# Altium PCB mantarray_beta2_sensor_arrayed.PcbDoc (part 2 of 14) (continued)
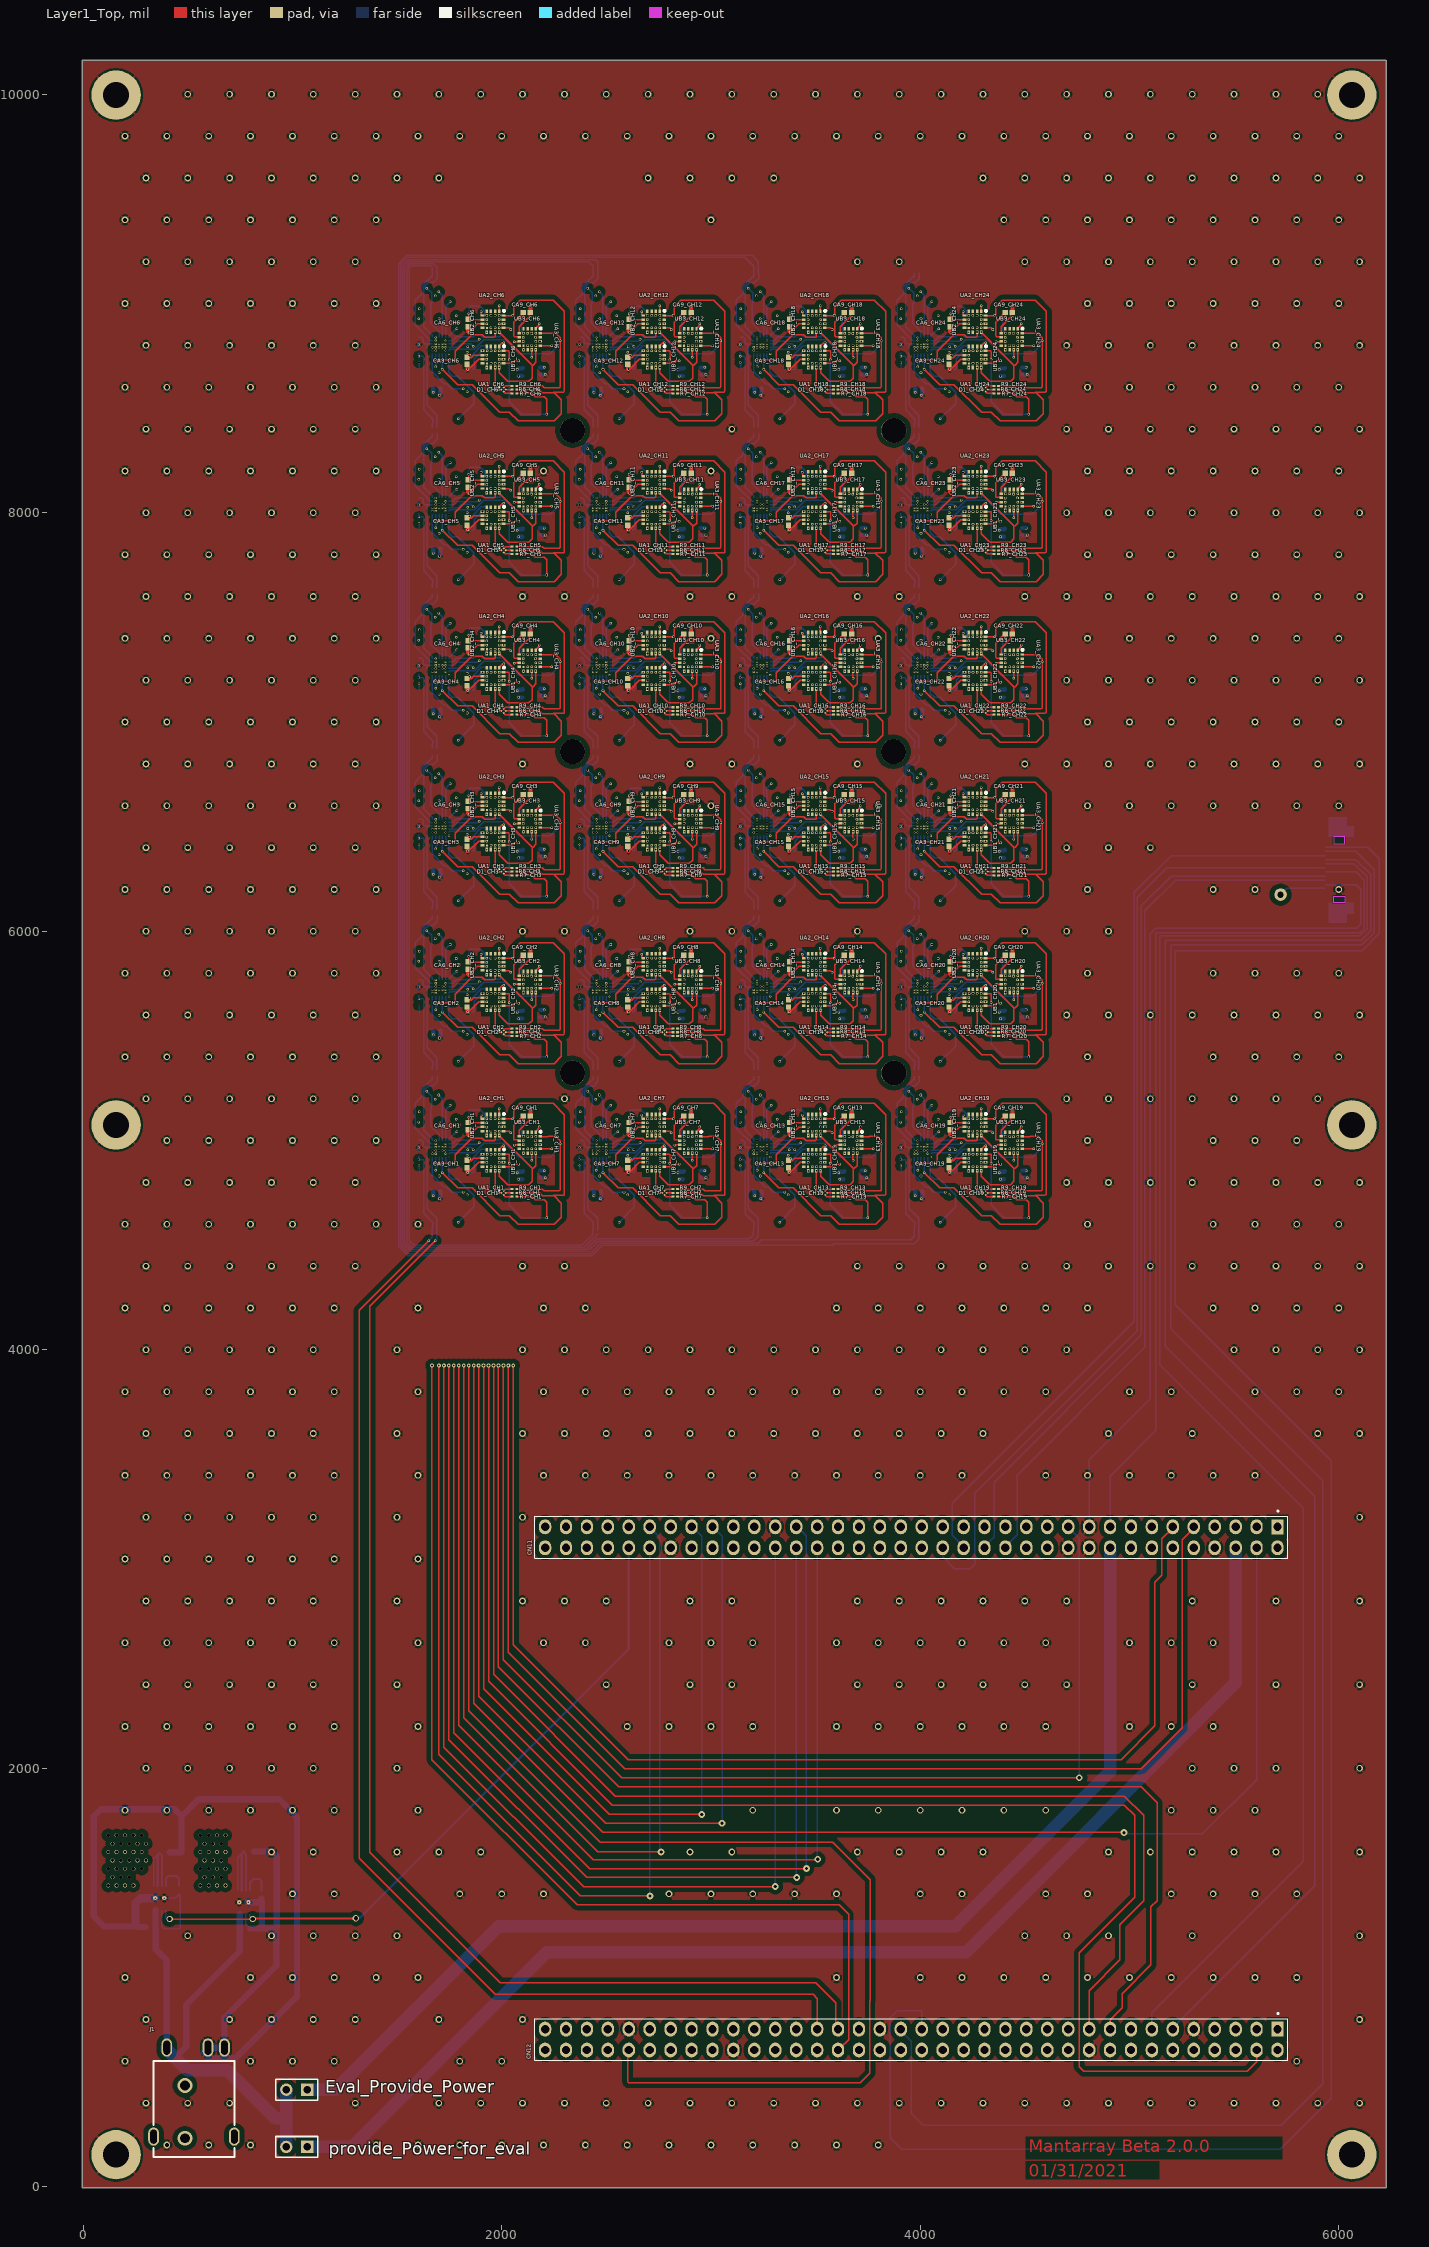
[diagram p0: Layer1_Top view]
## Part data (continued)
CN11 CN12: library part MCD-01210, "Header, 35x2, 2,54mm, VR, TH, Height 5.84mm/2.54mm", ComponentLink1Description=digikey, ComponentLink1URL=https://www.digikey.com/en/products/detail/929975-01-36-RK/929975E-01-36-ND/1094325?itemSeq=354777972, Parameter 1=929975E-01-36-ND
D1_CH1 D1_CH2 D1_CH3 D1_CH4 D1_CH5 D1_CH6 D1_CH7 D1_CH8 D1_CH9 D1_CH10 D1_CH11 D1_CH12 D1_CH13 D1_CH14 D1_CH15 D1_CH16 D1_CH17 D1_CH18 D1_CH19 D1_CH20 D1_CH21 D1_CH22 D1_CH23 D1_CH24: "0.65x0.65x0.20mm (0202) Full-Color Surface Mount LED", digikey=https://www.digikey.com/en/products/detail/sunled/XZBGRBBRMER158W/8259030?s=N4IgTCBcDaIBoC0BCBxASkpaCyBRNAjAKwAcA6iALoC%2BQA
Eval_Provide_Power provide_Power_for_eval: "Header, 2-Pin", ComponentLink1Description=digikey, ComponentLink1URL=https://www.digikey.com/en/products/detail/61300211121/732-5315-ND/4846823?itemSeq=354348989, digikey_part_NO=732-5315-ND, LatestRevisionDate=17-Jul-2002, LatestRevisionNote="Re-released for DXP Platform.", Publisher="Altium Limited"
J1: "IP67 waterproof DC Power Jack", digikey=https://www.digikey.com/en/products/detail/cui-devices/PJ-001AH-67/9866231?s=N4IgTCBcDaIAoCkC0AGFBGAggCSQNgHYQBdAXyA
R7_CH1 R7_CH2 R7_CH3 R7_CH4 R7_CH5 R7_CH6 R7_CH7 R7_CH8 R7_CH9 R7_CH10 R7_CH11 R7_CH12 R7_CH13 R7_CH14 R7_CH15 R7_CH16 R7_CH17 R7_CH18 R7_CH19 R7_CH20 R7_CH21 R7_CH22 R7_CH23 R7_CH24: library part CMP-2004-00311-1, Manufacturer="Vishay Dale", digikey=https://www.digikey.com/en/products/detail/vishay-dale/CRCW0201220RFNED/1199732?s=N4IgTCBcDaIMICU4HUAMZUEYwYQMQDkBRAERAF0BfIA, Part Number=CRCW0201220RFNED
R8_CH1 R8_CH2 R8_CH3 R8_CH4 R8_CH5 R8_CH6 R8_CH7 R8_CH8 R8_CH9 R8_CH10 R8_CH11 R8_CH12 R8_CH13 R8_CH14 R8_CH15 R8_CH16 R8_CH17 R8_CH18 R8_CH19 R8_CH20 R8_CH21 R8_CH22 R8_CH23 R8_CH24 R9_CH1 R9_CH2 R9_CH3 R9_CH4 R9_CH5 R9_CH6 R9_CH7 R9_CH8 R9_CH9 R9_CH10 R9_CH11 R9_CH12 R9_CH13 R9_CH14 R9_CH15 R9_CH16 R9_CH17 R9_CH18 R9_CH19 R9_CH20 R9_CH21 R9_CH22 R9_CH23 R9_CH24: library part CMP-2004-00005-1, Manufacturer=Vishay, digikey=https://www.digikey.com/en/products/detail/vishay-dale/CRCW0201100RFKED/1967973?s=N4IgTCBcDaIMICU4HUAMZUEZOtQgYgNICiAIiALoC%2BQA, Part Number=CRCW0201100RFKED
R_bt0_CH1 R_bt0_CH2 R_bt0_CH3 R_bt0_CH4 R_bt0_CH5 R_bt0_CH6 R_bt0_CH7 R_bt0_CH8 R_bt0_CH9 R_bt0_CH10 R_bt0_CH11 R_bt0_CH12 R_bt0_CH13 R_bt0_CH14 R_bt0_CH15 R_bt0_CH16 R_bt0_CH17 R_bt0_CH18 R_bt0_CH19 R_bt0_CH20 R_bt0_CH21 R_bt0_CH22 R_bt0_CH23 R_bt0_CH24 R_rst_CH1 R_rst_CH2 R_rst_CH3 R_rst_CH4 R_rst_CH5 R_rst_CH6 R_rst_CH7 R_rst_CH8 R_rst_CH9 R_rst_CH10 R_rst_CH11 R_rst_CH12 R_rst_CH13 R_rst_CH14 R_rst_CH15 R_rst_CH16 R_rst_CH17 R_rst_CH18 R_rst_CH19 R_rst_CH20 R_rst_CH21 R_rst_CH22 R_rst_CH23 R_rst_CH24: library part CMP-2004-00311-1, Manufacturer="Vishay Dale", Part Number=RC0201FR-0710KL, digikey=https://www.digikey.com/en/products/detail/yageo/RC0201FR-0710KL/1948870?s=N4IgTCBcDaIEoGEAMYkEYBicC0SDsaSA0gDIgC6AvkA
U1_CH1 U1_CH2 U1_CH3 U1_CH4 U1_CH5 U1_CH6 U1_CH7 U1_CH8 U1_CH9 U1_CH10 U1_CH11 U1_CH12 U1_CH13 U1_CH14 U1_CH15 U1_CH16 U1_CH17 U1_CH18 U1_CH19 U1_CH20 U1_CH21 U1_CH22 U1_CH23 U1_CH24: "No Description Available", Built_By=EMA_UL_Team, Copyright="Copyright (C) 2018 Accelerated Designs. All rights reserved", digikey=https://www.digikey.com/en/products/detail/stmicroelectronics/STM32L052T8Y7TR/7313146?s=N4IgTCBcDaIMoBUCyBmMAZADAVjAgHAJoDsCASiALoC%2BQA, Manufacturer_Part_Number=STM32L052T8Y7TR, RefDes=RefDes, SourceLibrary=STMicroelectronics_2020-10-07, Type=DEV, Vendor=STMicroelectronics
U14_AVDD U14_DVDD: library part CMP-0786-00090-1, "1 A, Low Dropout, CMOS Linear Regulator, 2.5 to 5.5 V Vin, 3.3 V Vout, Industrial, 8-pin QFN (CP-8-2), Reel", Manufacturer="Analog Devices", Preset Vout Values (V)=3.3, Supply Current IGND @ Small Load=50uA, ComponentLink1Description="Manufacturer URL", ComponentLink1URL=http://www.analog.com/en/index.html, ComponentLink2Description=Datasheet, ComponentLink2URL=http://www.analog.com/static/imported-files/data_sheets/ADP1706_1707_1708.pdf, ComponentLink3Description="Package Specification", ComponentLink3URL=http://www.analog.com/static/imported-files/packages/56953322593982CP_8_2.pdf, ComponentLink4Description="URL Link1", ComponentLink4URL="Product URL:http://www.analog.com/en/ADP1706/productSearch.html", DatasheetVersion="Rev. 0", digikey=https://www.digikey.com/en/products/detail/analog-devices-inc/ADP1706ACPZ-3-3-R7/1662724, Iout max=1A, Mounting Technology="Surface Mount", PackageDescription="8-Pin Lead Frame Chip Scale Package, Body 3 x 3 mm, Pitch 0.5 mm", PackageReference=CP-8-2, PackageVersion="061507-B, 06/2007", Packing=Reel, partnumber=ADP1706ACPZ-3.3-R7, Vin (max) (V)=5.5, Vin (min) (V)=2.5
UA1_CH1 UA1_CH2 UA1_CH3 UA1_CH4 UA1_CH5 UA1_CH6 UA1_CH7 UA1_CH8 UA1_CH9 UA1_CH10 UA1_CH11 UA1_CH12 UA1_CH13 UA1_CH14 UA1_CH15 UA1_CH16 UA1_CH17 UA1_CH18 UA1_CH19 UA1_CH20 UA1_CH21 UA1_CH22 UA1_CH23 UA1_CH24 UA2_CH1 UA2_CH2 UA2_CH3 UA2_CH4 UA2_CH5 UA2_CH6 UA2_CH7 UA2_CH8 UA2_CH9 UA2_CH10 UA2_CH11 UA2_CH12 UA2_CH13 UA2_CH14 UA2_CH15 UA2_CH16 UA2_CH17 UA2_CH18 UA2_CH19 UA2_CH20 UA2_CH21 UA2_CH22 UA2_CH23 UA2_CH24 UA3_CH1 UA3_CH2 UA3_CH3 UA3_CH4 UA3_CH5 UA3_CH6 UA3_CH7 UA3_CH8 UA3_CH9 UA3_CH10 UA3_CH11 UA3_CH12 UA3_CH13 UA3_CH14 UA3_CH15 UA3_CH16 UA3_CH17 UA3_CH18 UA3_CH19 UA3_CH20 UA3_CH21 UA3_CH22 UA3_CH23 UA3_CH24: library part CMP-2000-07463-1, "Digital Output Magnetic Sensor: Ultra-Low-Power, High-Performance 3-Axis Magnetometer, 1.9 to 3.6 V, -40 to 85 degC, 12-Pin LGA, RoHS, Tape and Reel", Case\/Package=Module, Manufacturer=STMicroelectronics, Max Operating Temperature=85degC, Max Supply Current=270uA, Max Supply Voltage=3.6V, Min Operating Temperature=-40degC, Min Supply Voltage=1.9V, Package Description="12-Pin Land Grid Array Package, Body 2 x 2 mm, Pitch 0.5 mm", Package Quantity=8000, Package Reference=LGA-12, Contact Plating=Gold, Datasheet URL=http://www.st.com/content/ccc/resource/technical/document/datasheet/54/2a/85/76/e3/97/42/18/DM00075867.pdf/files/DM00075867.pdf/jcr:content/translations/en.DM00075867.pdf, Datasheet Version="Rev. 6, 05/2017", Lead Free=LeadFree, Manufacturer URL=http://www.st.com/, Mount=SurfaceMount, Mounting Technology=SurfaceMount, Number of Pins=12, Packaging=TapeandReel, Radiation Hardening=No, REACH SVHC=NoSVHC, Resolution=16b, RoHSCompliant=true
  UA2_CH1 UA2_CH2 UA2_CH3 UA2_CH4 UA2_CH5 UA2_CH6 UA2_CH7 UA2_CH8 UA2_CH9 UA2_CH10 UA2_CH11 UA2_CH12 UA2_CH13 UA2_CH14 UA2_CH15 UA2_CH16 UA2_CH17 UA2_CH18 UA2_CH19 UA2_CH20 UA2_CH21 UA2_CH22 UA2_CH23 UA2_CH24: digikey=https://www.digikey.com/en/products/detail/stmicroelectronics/LIS3MDLTR/4309733?s=N4IgTCBcDaIDYEsDOBmAtgEziAugXyA
UB1_CH1 UB1_CH2 UB1_CH3 UB1_CH4 UB1_CH5 UB1_CH6 UB1_CH7 UB1_CH8 UB1_CH9 UB1_CH10 UB1_CH11 UB1_CH12 UB1_CH13 UB1_CH14 UB1_CH15 UB1_CH16 UB1_CH17 UB1_CH18 UB1_CH19 UB1_CH20 UB1_CH21 UB1_CH22 UB1_CH23 UB1_CH24 UB2_CH1 UB2_CH2 UB2_CH3 UB2_CH4 UB2_CH5 UB2_CH6 UB2_CH7 UB2_CH8 UB2_CH9 UB2_CH10 UB2_CH11 UB2_CH12 UB2_CH13 UB2_CH14 UB2_CH15 UB2_CH16 UB2_CH17 UB2_CH18 UB2_CH19 UB2_CH20 UB2_CH21 UB2_CH22 UB2_CH23 UB2_CH24 UB3_CH1 UB3_CH2 UB3_CH3 UB3_CH4 UB3_CH5 UB3_CH6 UB3_CH7 UB3_CH8 UB3_CH9 UB3_CH10 UB3_CH11 UB3_CH12 UB3_CH13 UB3_CH14 UB3_CH15 UB3_CH16 UB3_CH17 UB3_CH18 UB3_CH19 UB3_CH20 UB3_CH21 UB3_CH22 UB3_CH23 UB3_CH24: library part U, "MMC5983MA 3-axis magnetic sensor"
  UB2_CH1 UB2_CH2 UB2_CH3 UB2_CH4 UB2_CH5 UB2_CH6 UB2_CH7 UB2_CH8 UB2_CH9 UB2_CH10 UB2_CH11 UB2_CH12 UB2_CH13 UB2_CH14 UB2_CH15 UB2_CH16 UB2_CH17 UB2_CH18 UB2_CH19 UB2_CH20 UB2_CH21 UB2_CH22 UB2_CH23 UB2_CH24: digikey=https://www.digikey.com/en/products/detail/memsic-inc/MMC5983MA/10452795?s=N4IgTCBcDaILJwMIFYCcAOAzCAugXyA

## Free pads (board coordinates)
  round 236.22 hole 124.02: 0(157.48,9996.06) 0(157.48,153.54) 0(157.48,5074.8) 0(6062.99,153.54) 0(6062.99,5074.8) 0(6062.99,9996.06)
  round 120 hole 120: 0(2338.58,5322.83) 0(2338.58,6858.27) 0(2338.58,8393.7) 0(3872.05,6858.27) 0(3874.02,5322.83) 0(3874.02,8393.7)
  rrect50% 11.81x40 smd far side: 2(1606.3,4848.43) 2(1606.3,5616.14) 2(1606.3,6383.86) 2(1606.3,7151.57) 2(1606.3,7919.29) 2(1606.3,8687.01) 2(1669.29,4570.87) 2(1669.29,5307.09) 2(1669.29,5338.58) 2(1669.29,6074.8) 2(1669.29,6106.3) 2(1669.29,6842.52) 2(1669.29,6874.02) 2(1669.29,7610.24) 2(1669.29,7641.73) 2(1669.29,8377.95) 2(1669.29,8409.45) 2(1669.29,9145.67) 2(1690.94,4570.87) 2(1690.94,5307.09) 2(1690.94,5338.58) 2(1690.94,6074.8) 2(1690.94,6106.3) 2(1690.94,6842.52) 2(1690.94,6874.02) 2(1690.94,7610.24) 2(1690.94,7641.73) 2(1690.94,8377.95) 2(1690.94,8409.45) 2(1690.94,9145.67) 2(2374.02,4848.43) 2(2374.02,5616.14) 2(2374.02,6383.86) 2(2374.02,7151.57) 2(2374.02,7919.29) 2(2374.02,8687.01) 2(2437.01,4570.87) 2(2437.01,5307.09) 2(2437.01,5338.58) 2(2437.01,6074.8) 2(2437.01,6106.3) 2(2437.01,6842.52) 2(2437.01,6874.02) 2(2437.01,7610.24) 2(2437.01,7641.73) 2(2437.01,8377.95) 2(2437.01,8409.45) 2(2437.01,9145.67) 2(2458.66,4570.87) 2(2458.66,5307.09) 2(2458.66,5338.58) 2(2458.66,6074.8) 2(2458.66,6106.3) 2(2458.66,6842.52) 2(2458.66,6874.02) 2(2458.66,7610.24) 2(2458.66,7641.73) 2(2458.66,8377.95) 2(2458.66,8409.45) 2(2458.66,9145.67) 2(3141.73,4848.43) 2(3141.73,5616.14) 2(3141.73,6383.86) 2(3141.73,7151.57) 2(3141.73,7919.29) 2(3141.73,8687.01) 2(3204.72,4570.87) 2(3204.72,5307.09) 2(3204.72,5338.58) 2(3204.72,6074.8) 2(3204.72,6106.3) 2(3204.72,6842.52) 2(3204.72,6874.02) 2(3204.72,7610.24) 2(3204.72,7641.73) 2(3204.72,8377.95) 2(3204.72,8409.45) 2(3204.72,9145.67) 2(3226.38,4570.87) 2(3226.38,5307.09) 2(3226.38,5338.58) 2(3226.38,6074.8) 2(3226.38,6106.3) 2(3226.38,6842.52) 2(3226.38,6874.02) 2(3226.38,7610.24) 2(3226.38,7641.73) 2(3226.38,8377.95) 2(3226.38,8409.45) 2(3226.38,9145.67) 2(3909.45,4848.43) 2(3909.45,5616.14) 2(3909.45,6383.86) 2(3909.45,7151.57) 2(3909.45,7919.29) 2(3909.45,8687.01) 2(3972.44,4570.87) 2(3972.44,5307.09) 2(3972.44,5338.58) 2(3972.44,6074.8) 2(3972.44,6106.3) 2(3972.44,6842.52) 2(3972.44,6874.02) 2(3972.44,7610.24) 2(3972.44,7641.73) 2(3972.44,8377.95) 2(3972.44,8409.45) 2(3972.44,9145.67) 2(3994.09,4570.87) 2(3994.09,5307.09) 2(3994.09,5338.58) 2(3994.09,6074.8) 2(3994.09,6106.3) 2(3994.09,6842.52) 2(3994.09,6874.02) 2(3994.09,7610.24) 2(3994.09,7641.73) 2(3994.09,8377.95) 2(3994.09,8409.45) 2(3994.09,9145.67)
  rrect50% 8x16 on Mid4: 5(1708.66,4557.09) 5(1708.66,5320.87) 5(1708.66,5324.8) 5(1708.66,6088.58) 5(1708.66,6092.52) 5(1708.66,6856.3) 5(1708.66,6860.24) 5(1708.66,7624.02) 5(1708.66,7627.95) 5(1708.66,8391.73) 5(1708.66,8395.67) 5(1708.66,9159.45) 5(1728.35,4557.09) 5(1728.35,5320.87) 5(1728.35,5324.8) 5(1728.35,6088.58) 5(1728.35,6092.52) 5(1728.35,6856.3) 5(1728.35,6860.24) 5(1728.35,7624.02) 5(1728.35,7627.95) 5(1728.35,8391.73) 5(1728.35,8395.67) 5(1728.35,9159.45) 5(1748.03,4557.09) 5(1748.03,5320.87) 5(1748.03,5324.8) 5(1748.03,6088.58) 5(1748.03,6092.52) 5(1748.03,6856.3) 5(1748.03,6860.24) 5(1748.03,7624.02) 5(1748.03,7627.95) 5(1748.03,8391.73) 5(1748.03,8395.67) 5(1748.03,9159.45) 5(1767.72,4557.09) 5(1767.72,5320.87) 5(1767.72,5324.8) 5(1767.72,6088.58) 5(1767.72,6092.52) 5(1767.72,6856.3) 5(1767.72,6860.24) 5(1767.72,7624.02) 5(1767.72,7627.95) 5(1767.72,8391.73) 5(1767.72,8395.67) 5(1767.72,9159.45) 5(1787.4,4557.09) 5(1787.4,5324.8) 5(1787.4,6092.52) 5(1787.4,6860.24) 5(1787.4,7627.95) 5(1787.4,8395.67) 5(1788.26,5320.87) 5(1788.26,6088.58) 5(1788.26,6856.3) 5(1788.26,7624.02) 5(1788.26,8391.73) 5(1788.26,9159.45) 5(1807.09,4557.09) 5(1807.09,5320.87) 5(1807.09,5324.8) 5(1807.09,6088.58) 5(1807.09,6092.52) 5(1807.09,6856.3) 5(1807.09,6860.24) 5(1807.09,7624.02) 5(1807.09,7627.95) 5(1807.09,8391.73) 5(1807.09,8395.67) 5(1807.09,9159.45) 5(1826.77,4557.09) 5(1826.77,5320.87) 5(1826.77,5324.8) 5(1826.77,6088.58) 5(1826.77,6092.52) 5(1826.77,6856.3) 5(1826.77,6860.24) 5(1826.77,7624.02) 5(1826.77,7627.95) 5(1826.77,8391.73) 5(1826.77,8395.67) 5(1826.77,9159.45) 5(1846.46,4557.09) 5(1846.46,5320.87) 5(1846.46,5324.8) 5(1846.46,6088.58) 5(1846.46,6092.52) 5(1846.46,6856.3) 5(1846.46,6860.24) 5(1846.46,7624.02) 5(1846.46,7627.95) 5(1846.46,8391.73) 5(1846.46,8395.67) 5(1846.46,9159.45) 5(1866.14,4557.09) 5(1866.14,5320.87) 5(1866.14,5324.8) 5(1866.14,6088.58) 5(1866.14,6092.52) 5(1866.14,6856.3) 5(1866.14,6860.24) 5(1866.14,7624.02) 5(1866.14,7627.95) 5(1866.14,8391.73) 5(1866.14,8395.67) 5(1866.14,9159.45) 5(1885.83,4557.09) 5(1885.83,5320.87) 5(1885.83,5324.8) 5(1885.83,6088.58) 5(1885.83,6092.52) 5(1885.83,6856.3) 5(1885.83,6860.24) 5(1885.83,7624.02) 5(1885.83,7627.95) 5(1885.83,8391.73) 5(1885.83,8395.67) 5(1885.83,9159.45) 5(1905.51,4557.09) 5(1905.51,5320.87) 5(1905.51,5324.8) 5(1905.51,6088.58) 5(1905.51,6092.52) 5(1905.51,6856.3) 5(1905.51,6860.24) 5(1905.51,7624.02) 5(1905.51,7627.95) 5(1905.51,8391.73) 5(1905.51,8395.67) 5(1905.51,9159.45) 5(1925.2,4557.09) 5(1925.2,5320.87) 5(1925.2,5324.8) 5(1925.2,6088.58) 5(1925.2,6092.52) 5(1925.2,6856.3) 5(1925.2,6860.24) 5(1925.2,7624.02) 5(1925.2,7627.95) 5(1925.2,8391.73) 5(1925.2,8395.67) 5(1925.2,9159.45) 5(1944.88,4557.09) 5(1944.88,5320.87) 5(1944.88,5324.8) 5(1944.88,6088.58) 5(1944.88,6092.52) 5(1944.88,6856.3) 5(1944.88,6860.24) 5(1944.88,7624.02) 5(1944.88,7627.95) 5(1944.88,8391.73) 5(1944.88,8395.67) 5(1944.88,9159.45) 5(1964.57,4557.09) 5(1964.57,5320.87) 5(1964.57,5324.8) 5(1964.57,6088.58) 5(1964.57,6092.52) 5(1964.57,6856.3) 5(1964.57,6860.24) 5(1964.57,7624.02) 5(1964.57,7627.95) 5(1964.57,8391.73) 5(1964.57,8395.67) 5(1964.57,9159.45) 5(1984.25,4557.09) 5(1984.25,5320.87) 5(1984.25,5324.8) 5(1984.25,6088.58) 5(1984.25,6092.52) 5(1984.25,6856.3) 5(1984.25,6860.24) 5(1984.25,7624.02) 5(1984.25,7627.95) 5(1984.25,8391.73) 5(1984.25,8395.67) 5(1984.25,9159.45) 5(2003.94,4557.09) 5(2003.94,5320.87) 5(2003.94,5324.8) 5(2003.94,6088.58) 5(2003.94,6092.52) 5(2003.94,6856.3) 5(2003.94,6860.24) 5(2003.94,7624.02) 5(2003.94,7627.95) 5(2003.94,8391.73) 5(2003.94,8395.67) 5(2003.94,9159.45) 5(2023.62,4557.09) 5(2023.62,5320.87) 5(2023.62,5324.8) 5(2023.62,6088.58) 5(2023.62,6092.52) 5(2023.62,6856.3) 5(2023.62,6860.24) 5(2023.62,7624.02) 5(2023.62,7627.95) 5(2023.62,8391.73) 5(2023.62,8395.67) 5(2023.62,9159.45) 5(2476.38,4557.09) 5(2476.38,5320.87) 5(2476.38,5324.8) 5(2476.38,6088.58) 5(2476.38,6092.52) 5(2476.38,6856.3) 5(2476.38,6860.24) 5(2476.38,7624.02) 5(2476.38,7627.95) 5(2476.38,8391.73) 5(2476.38,8395.67) 5(2476.38,9159.45) 5(2496.06,4557.09) 5(2496.06,5320.87) 5(2496.06,5324.8) 5(2496.06,6088.58) 5(2496.06,6092.52) 5(2496.06,6856.3) 5(2496.06,6860.24) 5(2496.06,7624.02) 5(2496.06,7627.95) 5(2496.06,8391.73) 5(2496.06,8395.67) 5(2496.06,9159.45) 5(2515.75,4557.09) 5(2515.75,5320.87) 5(2515.75,5324.8) 5(2515.75,6088.58) 5(2515.75,6092.52) 5(2515.75,6856.3) 5(2515.75,6860.24) 5(2515.75,7624.02) 5(2515.75,7627.95) 5(2515.75,8391.73) 5(2515.75,8395.67) 5(2515.75,9159.45) 5(2535.43,4557.09) 5(2535.43,5320.87) 5(2535.43,5324.8) 5(2535.43,6088.58) 5(2535.43,6092.52) 5(2535.43,6856.3) 5(2535.43,6860.24) 5(2535.43,7624.02) 5(2535.43,7627.95) 5(2535.43,8391.73) 5(2535.43,8395.67) 5(2535.43,9159.45) 5(2555.12,4557.09) 5(2555.12,5324.8) 5(2555.12,6092.52) 5(2555.12,6860.24) 5(2555.12,7627.95) 5(2555.12,8395.67) 5(2555.97,5320.87) 5(2555.97,6088.58) 5(2555.97,6856.3) 5(2555.97,7624.02) 5(2555.97,8391.73) 5(2555.97,9159.45) 5(2574.8,4557.09) 5(2574.8,5320.87) 5(2574.8,5324.8) 5(2574.8,6088.58) 5(2574.8,6092.52) 5(2574.8,6856.3) 5(2574.8,6860.24) 5(2574.8,7624.02) 5(2574.8,7627.95) 5(2574.8,8391.73) 5(2574.8,8395.67) 5(2574.8,9159.45) 5(2594.49,4557.09) 5(2594.49,5320.87) 5(2594.49,5324.8) 5(2594.49,6088.58) 5(2594.49,6092.52) 5(2594.49,6856.3) 5(2594.49,6860.24) 5(2594.49,7624.02) 5(2594.49,7627.95) 5(2594.49,8391.73) 5(2594.49,8395.67) 5(2594.49,9159.45) 5(2614.17,4557.09) 5(2614.17,5320.87) 5(2614.17,5324.8) 5(2614.17,6088.58) 5(2614.17,6092.52) 5(2614.17,6856.3) 5(2614.17,6860.24) 5(2614.17,7624.02) 5(2614.17,7627.95) 5(2614.17,8391.73) 5(2614.17,8395.67) 5(2614.17,9159.45) 5(2633.86,4557.09) 5(2633.86,5320.87) 5(2633.86,5324.8) 5(2633.86,6088.58) 5(2633.86,6092.52) 5(2633.86,6856.3) 5(2633.86,6860.24) 5(2633.86,7624.02) 5(2633.86,7627.95) 5(2633.86,8391.73) 5(2633.86,8395.67) 5(2633.86,9159.45) 5(2653.54,4557.09) 5(2653.54,5320.87) 5(2653.54,5324.8) 5(2653.54,6088.58) 5(2653.54,6092.52) 5(2653.54,6856.3) 5(2653.54,6860.24) 5(2653.54,7624.02) 5(2653.54,7627.95) 5(2653.54,8391.73) 5(2653.54,8395.67) 5(2653.54,9159.45) 5(2673.23,4557.09) 5(2673.23,5320.87) 5(2673.23,5324.8) 5(2673.23,6088.58) 5(2673.23,6092.52) 5(2673.23,6856.3) 5(2673.23,6860.24) 5(2673.23,7624.02) 5(2673.23,7627.95) 5(2673.23,8391.73) 5(2673.23,8395.67) 5(2673.23,9159.45) 5(2692.91,4557.09) 5(2692.91,5320.87) 5(2692.91,5324.8) 5(2692.91,6088.58) 5(2692.91,6092.52) 5(2692.91,6856.3) 5(2692.91,6860.24) 5(2692.91,7624.02) 5(2692.91,7627.95) 5(2692.91,8391.73) 5(2692.91,8395.67) 5(2692.91,9159.45) 5(2712.6,4557.09) 5(2712.6,5320.87) 5(2712.6,5324.8) 5(2712.6,6088.58) 5(2712.6,6092.52) 5(2712.6,6856.3) 5(2712.6,6860.24) 5(2712.6,7624.02) 5(2712.6,7627.95) 5(2712.6,8391.73) 5(2712.6,8395.67) 5(2712.6,9159.45) 5(2732.28,4557.09) 5(2732.28,5320.87) 5(2732.28,5324.8) 5(2732.28,6088.58) 5(2732.28,6092.52) 5(2732.28,6856.3) 5(2732.28,6860.24) 5(2732.28,7624.02) 5(2732.28,7627.95) 5(2732.28,8391.73) 5(2732.28,8395.67) 5(2732.28,9159.45) 5(2751.97,4557.09) 5(2751.97,5320.87) 5(2751.97,5324.8) 5(2751.97,6088.58) 5(2751.97,6092.52) 5(2751.97,6856.3) 5(2751.97,6860.24) 5(2751.97,7624.02) 5(2751.97,7627.95) 5(2751.97,8391.73) 5(2751.97,8395.67) 5(2751.97,9159.45) 5(2771.65,4557.09) 5(2771.65,5320.87) 5(2771.65,5324.8) 5(2771.65,6088.58) 5(2771.65,6092.52) 5(2771.65,6856.3) 5(2771.65,6860.24) 5(2771.65,7624.02) 5(2771.65,7627.95) 5(2771.65,8391.73) 5(2771.65,8395.67) 5(2771.65,9159.45) 5(2791.34,4557.09) 5(2791.34,5320.87) 5(2791.34,5324.8) 5(2791.34,6088.58) 5(2791.34,6092.52) 5(2791.34,6856.3) 5(2791.34,6860.24) 5(2791.34,7624.02) 5(2791.34,7627.95) 5(2791.34,8391.73) 5(2791.34,8395.67) 5(2791.34,9159.45) 5(3244.09,4557.09) 5(3244.09,5320.87) 5(3244.09,5324.8) 5(3244.09,6088.58) 5(3244.09,6092.52) 5(3244.09,6856.3) 5(3244.09,6860.24) 5(3244.09,7624.02) 5(3244.09,7627.95) 5(3244.09,8391.73) 5(3244.09,8395.67) 5(3244.09,9159.45) 5(3263.78,4557.09) 5(3263.78,5320.87) 5(3263.78,5324.8) 5(3263.78,6088.58) 5(3263.78,6092.52) 5(3263.78,6856.3) 5(3263.78,6860.24) 5(3263.78,7624.02) 5(3263.78,7627.95) 5(3263.78,8391.73) 5(3263.78,8395.67) 5(3263.78,9159.45) 5(3283.46,4557.09) 5(3283.46,5320.87) 5(3283.46,5324.8) 5(3283.46,6088.58) 5(3283.46,6092.52) 5(3283.46,6856.3) 5(3283.46,6860.24) 5(3283.46,7624.02) 5(3283.46,7627.95) 5(3283.46,8391.73) 5(3283.46,8395.67) 5(3283.46,9159.45) 5(3303.15,4557.09) 5(3303.15,5320.87) 5(3303.15,5324.8) 5(3303.15,6088.58) 5(3303.15,6092.52) 5(3303.15,6856.3) 5(3303.15,6860.24) 5(3303.15,7624.02) 5(3303.15,7627.95) 5(3303.15,8391.73) 5(3303.15,8395.67) 5(3303.15,9159.45) 5(3322.83,4557.09) 5(3322.83,5324.8) 5(3322.83,6092.52) 5(3322.83,6860.24) 5(3322.83,7627.95) 5(3322.83,8395.67) 5(3323.69,5320.87) 5(3323.69,6088.58) 5(3323.69,6856.3) 5(3323.69,7624.02) 5(3323.69,8391.73) 5(3323.69,9159.45) 5(3342.52,4557.09) 5(3342.52,5320.87) 5(3342.52,5324.8) 5(3342.52,6088.58) 5(3342.52,6092.52) 5(3342.52,6856.3) 5(3342.52,6860.24) 5(3342.52,7624.02) 5(3342.52,7627.95) 5(3342.52,8391.73) 5(3342.52,8395.67) 5(3342.52,9159.45) 5(3362.2,4557.09) 5(3362.2,5320.87) 5(3362.2,5324.8) 5(3362.2,6088.58) 5(3362.2,6092.52) 5(3362.2,6856.3) 5(3362.2,6860.24) 5(3362.2,7624.02) 5(3362.2,7627.95) 5(3362.2,8391.73) 5(3362.2,8395.67) 5(3362.2,9159.45) 5(3381.89,4557.09) 5(3381.89,5320.87) 5(3381.89,5324.8) 5(3381.89,6088.58) 5(3381.89,6092.52) 5(3381.89,6856.3) 5(3381.89,6860.24) 5(3381.89,7624.02) 5(3381.89,7627.95) 5(3381.89,8391.73) 5(3381.89,8395.67) 5(3381.89,9159.45) 5(3401.57,4557.09) 5(3401.57,5320.87) 5(3401.57,5324.8) 5(3401.57,6088.58) 5(3401.57,6092.52) 5(3401.57,6856.3) 5(3401.57,6860.24) 5(3401.57,7624.02) 5(3401.57,7627.95) 5(3401.57,8391.73) 5(3401.57,8395.67) 5(3401.57,9159.45) 5(3421.26,4557.09) 5(3421.26,5320.87) 5(3421.26,5324.8) 5(3421.26,6088.58) 5(3421.26,6092.52) 5(3421.26,6856.3) 5(3421.26,6860.24) 5(3421.26,7624.02) 5(3421.26,7627.95) 5(3421.26,8391.73) 5(3421.26,8395.67) 5(3421.26,9159.45) 5(3440.95,4557.09) 5(3440.95,5320.87) 5(3440.95,5324.8) 5(3440.95,6088.58) 5(3440.95,6092.52) 5(3440.95,6856.3) 5(3440.95,6860.24) 5(3440.95,7624.02) 5(3440.95,7627.95) 5(3440.95,8391.73) 5(3440.95,8395.67) 5(3440.95,9159.45) 5(3460.63,4557.09) 5(3460.63,5320.87) 5(3460.63,5324.8) 5(3460.63,6088.58) 5(3460.63,6092.52) 5(3460.63,6856.3) 5(3460.63,6860.24) 5(3460.63,7624.02) 5(3460.63,7627.95) 5(3460.63,8391.73) 5(3460.63,8395.67) 5(3460.63,9159.45) 5(3480.32,4557.09) 5(3480.32,5320.87) 5(3480.32,5324.8) 5(3480.32,6088.58) 5(3480.32,6092.52) 5(3480.32,6856.3) 5(3480.32,6860.24) 5(3480.32,7624.02) 5(3480.32,7627.95) 5(3480.32,8391.73) 5(3480.32,8395.67) 5(3480.32,9159.45) 5(3500,4557.09) 5(3500,5320.87) 5(3500,5324.8) 5(3500,6088.58) 5(3500,6092.52) 5(3500,6856.3) 5(3500,6860.24) 5(3500,7624.02) 5(3500,7627.95) 5(3500,8391.73) 5(3500,8395.67) 5(3500,9159.45) 5(3519.69,4557.09) 5(3519.69,5320.87) 5(3519.69,5324.8) 5(3519.69,6088.58) 5(3519.69,6092.52) 5(3519.69,6856.3) 5(3519.69,6860.24) 5(3519.69,7624.02) 5(3519.69,7627.95) 5(3519.69,8391.73) 5(3519.69,8395.67) 5(3519.69,9159.45) 5(3539.37,4557.09) 5(3539.37,5320.87) 5(3539.37,5324.8) 5(3539.37,6088.58) 5(3539.37,6092.52) 5(3539.37,6856.3) 5(3539.37,6860.24) 5(3539.37,7624.02) 5(3539.37,7627.95) 5(3539.37,8391.73) 5(3539.37,8395.67) 5(3539.37,9159.45) 5(3559.06,4557.09) 5(3559.06,5320.87) 5(3559.06,5324.8) 5(3559.06,6088.58) 5(3559.06,6092.52) 5(3559.06,6856.3) 5(3559.06,6860.24) 5(3559.06,7624.02) 5(3559.06,7627.95) 5(3559.06,8391.73) 5(3559.06,8395.67) 5(3559.06,9159.45) 5(4011.81,4557.09) 5(4011.81,5320.87) 5(4011.81,5324.8) 5(4011.81,6088.58) 5(4011.81,6092.52) 5(4011.81,6856.3) 5(4011.81,6860.24) 5(4011.81,7624.02) 5(4011.81,7627.95) 5(4011.81,8391.73) 5(4011.81,8395.67) 5(4011.81,9159.45) 5(4031.5,4557.09) 5(4031.5,5320.87) 5(4031.5,5324.8) 5(4031.5,6088.58) 5(4031.5,6092.52) 5(4031.5,6856.3) 5(4031.5,6860.24) 5(4031.5,7624.02) 5(4031.5,7627.95) 5(4031.5,8391.73) 5(4031.5,8395.67) 5(4031.5,9159.45) 5(4051.18,4557.09) 5(4051.18,5320.87) 5(4051.18,5324.8) 5(4051.18,6088.58) 5(4051.18,6092.52) 5(4051.18,6856.3) 5(4051.18,6860.24) 5(4051.18,7624.02) 5(4051.18,7627.95) 5(4051.18,8391.73) 5(4051.18,8395.67) 5(4051.18,9159.45) 5(4070.87,4557.09) 5(4070.87,5320.87) 5(4070.87,5324.8) 5(4070.87,6088.58) 5(4070.87,6092.52) 5(4070.87,6856.3) 5(4070.87,6860.24) 5(4070.87,7624.02) 5(4070.87,7627.95) 5(4070.87,8391.73) 5(4070.87,8395.67) 5(4070.87,9159.45) 5(4090.55,4557.09) 5(4090.55,5324.8) 5(4090.55,6092.52) 5(4090.55,6860.24) 5(4090.55,7627.95) 5(4090.55,8395.67) 5(4091.41,5320.87) 5(4091.41,6088.58) 5(4091.41,6856.3) 5(4091.41,7624.02) 5(4091.41,8391.73) 5(4091.41,9159.45) 5(4110.24,4557.09) 5(4110.24,5320.87) 5(4110.24,5324.8) 5(4110.24,6088.58) 5(4110.24,6092.52) 5(4110.24,6856.3) 5(4110.24,6860.24) 5(4110.24,7624.02) 5(4110.24,7627.95) 5(4110.24,8391.73) 5(4110.24,8395.67) 5(4110.24,9159.45) 5(4129.92,4557.09) 5(4129.92,5320.87) 5(4129.92,5324.8) 5(4129.92,6088.58) 5(4129.92,6092.52) 5(4129.92,6856.3) 5(4129.92,6860.24) 5(4129.92,7624.02) 5(4129.92,7627.95) 5(4129.92,8391.73) 5(4129.92,8395.67) 5(4129.92,9159.45) 5(4149.61,4557.09) 5(4149.61,5320.87) 5(4149.61,5324.8) 5(4149.61,6088.58) 5(4149.61,6092.52) 5(4149.61,6856.3) 5(4149.61,6860.24) 5(4149.61,7624.02) 5(4149.61,7627.95) 5(4149.61,8391.73) 5(4149.61,8395.67) 5(4149.61,9159.45) 5(4169.29,4557.09) 5(4169.29,5320.87) 5(4169.29,5324.8) 5(4169.29,6088.58) 5(4169.29,6092.52) 5(4169.29,6856.3) 5(4169.29,6860.24) 5(4169.29,7624.02) 5(4169.29,7627.95) 5(4169.29,8391.73) 5(4169.29,8395.67) 5(4169.29,9159.45) 5(4188.98,4557.09) 5(4188.98,5320.87) 5(4188.98,5324.8) 5(4188.98,6088.58) 5(4188.98,6092.52) 5(4188.98,6856.3) 5(4188.98,6860.24) 5(4188.98,7624.02) 5(4188.98,7627.95) 5(4188.98,8391.73) 5(4188.98,8395.67) 5(4188.98,9159.45) 5(4208.66,4557.09) 5(4208.66,5320.87) 5(4208.66,5324.8) 5(4208.66,6088.58) 5(4208.66,6092.52) 5(4208.66,6856.3) 5(4208.66,6860.24) 5(4208.66,7624.02) 5(4208.66,7627.95) 5(4208.66,8391.73) 5(4208.66,8395.67) 5(4208.66,9159.45) 5(4228.35,4557.09) 5(4228.35,5320.87) 5(4228.35,5324.8) 5(4228.35,6088.58) 5(4228.35,6092.52) 5(4228.35,6856.3) 5(4228.35,6860.24) 5(4228.35,7624.02) 5(4228.35,7627.95) 5(4228.35,8391.73) 5(4228.35,8395.67) 5(4228.35,9159.45) 5(4248.03,4557.09) 5(4248.03,5320.87) 5(4248.03,5324.8) 5(4248.03,6088.58) 5(4248.03,6092.52) 5(4248.03,6856.3) 5(4248.03,6860.24) 5(4248.03,7624.02) 5(4248.03,7627.95) 5(4248.03,8391.73) 5(4248.03,8395.67) 5(4248.03,9159.45) 5(4267.72,4557.09) 5(4267.72,5320.87) 5(4267.72,5324.8) 5(4267.72,6088.58) 5(4267.72,6092.52) 5(4267.72,6856.3) 5(4267.72,6860.24) 5(4267.72,7624.02) 5(4267.72,7627.95) 5(4267.72,8391.73) 5(4267.72,8395.67) 5(4267.72,9159.45) 5(4287.4,4557.09) 5(4287.4,5320.87) 5(4287.4,5324.8) 5(4287.4,6088.58) 5(4287.4,6092.52) 5(4287.4,6856.3) 5(4287.4,6860.24) 5(4287.4,7624.02) 5(4287.4,7627.95) 5(4287.4,8391.73) 5(4287.4,8395.67) 5(4287.4,9159.45) 5(4307.09,4557.09) 5(4307.09,5320.87) 5(4307.09,5324.8) 5(4307.09,6088.58) 5(4307.09,6092.52) 5(4307.09,6856.3) 5(4307.09,6860.24) 5(4307.09,7624.02) 5(4307.09,7627.95) 5(4307.09,8391.73) 5(4307.09,8395.67) 5(4307.09,9159.45) 5(4326.77,4557.09) 5(4326.77,5320.87) 5(4326.77,5324.8) 5(4326.77,6088.58) 5(4326.77,6092.52) 5(4326.77,6856.3) 5(4326.77,6860.24) 5(4326.77,7624.02) 5(4326.77,7627.95) 5(4326.77,8391.73) 5(4326.77,8395.67) 5(4326.77,9159.45)
  round 60 hole 30: 6(5722.44,6175.2)

## Via types
v1: diameter 12/12/12/12/12 (per signal layer), hole 7.87, Layer1_Top to Layer8_BOT, 2208 vias
v2: diameter 32, hole 20, Layer1_Top to Layer8_BOT, 815 vias
v3: diameter 10/10/10/10/10 (per signal layer), hole 7.87, Layer1_Top to Layer8_BOT, 456 vias
v4: diameter 18, hole 8, Layer6_BUS to Layer7_sig2, 102 vias
v5: diameter 10/10 (per signal layer), hole 7.87, Layer7_sig2 to Layer8_BOT, 96 vias
v6: diameter 18, hole 16, Layer1_Top to Layer8_BOT, 57 vias
v7: diameter 12, hole 7.87, Layer1_Top to Layer8_BOT, 26 vias
v8: diameter 18, hole 8, Layer1_Top to Layer8_BOT, 17 vias
v9: diameter 32, hole 16, Layer1_Top to Layer8_BOT, 10 vias
v10: diameter 19.68, hole 7.87, Layer1_Top to Layer8_BOT, 4 vias
v11: diameter 30, hole 20, Layer1_Top to Layer8_BOT, 3 vias
v12: diameter 70.87, hole 47.24, Layer1_Top to Layer8_BOT, 2 vias
v13: diameter 20, hole 16, Layer3_AVDD_PLANE to Layer8_BOT, 1 vias
v14: diameter 20, hole 16, Layer5_DVDD_PLANE to Layer8_BOT, 1 vias

## Nets (pads, with @x,y where several pads share a name; then routed paths per layer and width w, separated by ;. In a path a pad name is that pad's centre, name@x,y a point inside that pad or via, vN(x,y) a via of type N, cw(c..) or ccw(c..) an arc to the next point about the centre after c; other vN are vias at no path point)
3V3: CN11.16
3V3_VDD: CN11.5
5V_from_eval: CN11.18 Eval_Provide_Power.1 | length 5549.7
  Layer1_Top w6: Eval_Provide_Power.1@1070.87,464.57 Eval_Provide_Power.1@1076.77,470.47
  Layer8_BOT w6: 4907.48,2830.71 4911.42,2826.77
  Layer8_BOT w60: Eval_Provide_Power.1@1070.87,464.57 1204.72,464.57 1986.22,1246.06 4169.29,1246.06 4907.48,1984.25 4907.48,2830.71 CN11.18@4907.48,3053.94
5V_USB_STLK: CN12.8
+5V: C71_AVDD.2 C71_DVDD.2 Eval_Provide_Power.2 J1.1 provide_Power_for_eval.2 U14_AVDD.3 U14_AVDD.4 U14_DVDD.3 U14_DVDD.4 | length 2487.1
  Layer8_BOT w30: 345.47,1322.09 C71_DVDD.2@345.47,1242.13 345.71,1241.89 345.71,1231.27 346.46,1230.52 346.46,1134.84 399.61,1081.69 J1.1@399.61,665.36 ; 434.3,621.77 444.6,621.77 492.13,669.29 492.13,870.08 748.03,1125.98 748.03,1171.77 748.78,1172.52 748.78,1234.02 C71_AVDD.2@749.02,1234.25 749.02,1302.4 748.27,1303.15 ; provide_Power_for_eval.2@970.47,190.94 provide_Power_for_eval.2@970.67,191.14 ; Eval_Provide_Power.2@970.67,464.37 Eval_Provide_Power.2@970.87,464.57
  Layer8_BOT w60: J1.1@399.61,665.36 399.61,656.46 434.3,621.77 498.98,557.09 688.98,557.09 918.31,327.76 970.67,327.76 ; provide_Power_for_eval.2@970.67,191.14 970.67,327.76 ; Eval_Provide_Power.2@970.67,464.37 970.67,327.76
AGND: CN12.32